# Allegro board MK60_PACK_V20A.brd (continued)
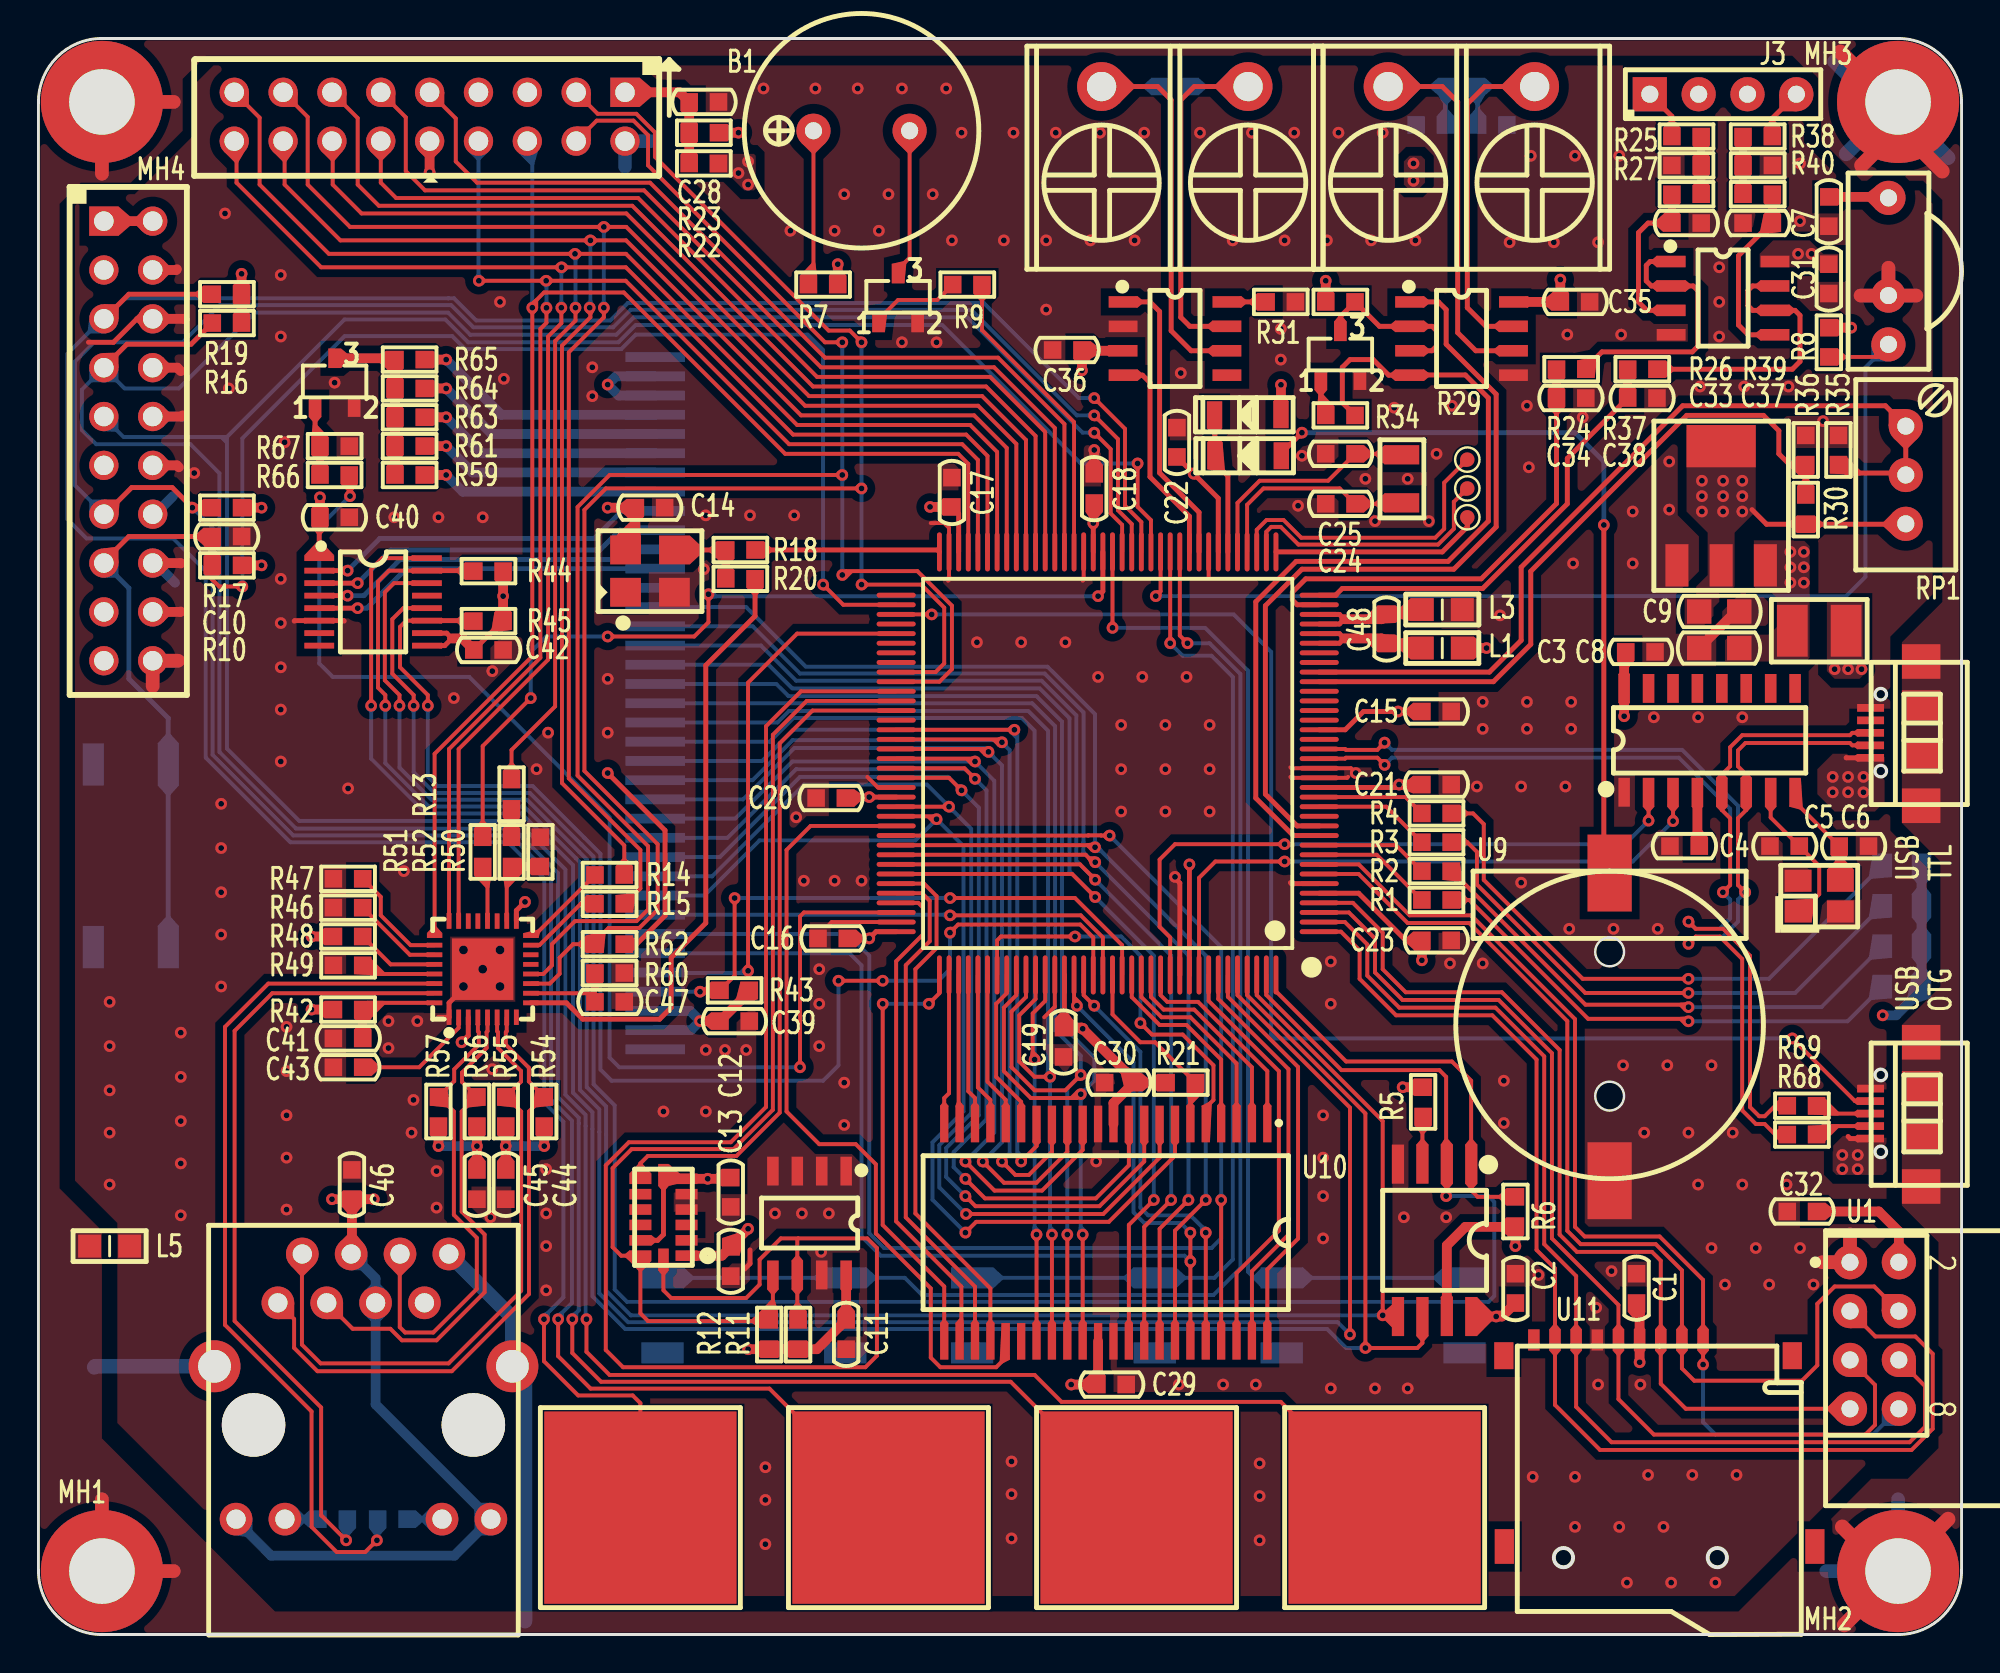
[diagram p0: board, top side]
## Routing (per net, layer and track width the routed paths; a pad name or vN(x,y) marks a point on that pad's centre or on a via; arc(x,y) is an arc through that point) (continued)
VCC_USB: length 2.5
  TOP w0.254: USB1.1 94.21,25.79 94.1,25.9 ; 94,45.6 94.01,45.59 USB2.1
  vias: v1(93.3,44.6) v1(93.3,43.8) v1(93.4,50.2) v1(93.8,24.94) v1(93.8,24.2) v1(94.1,50.2) v1(94.1,44.6) v1(94.1,43.8) v1(94.6,24.94) v1(94.6,24.2) v1(94.8,50.2) v1(94.9,44.6) v1(94.9,43.8)
VDDA3V3: length 7.1
  TOP w0.254: U4.31 67.65,51.55 67.9,51.8 67.65,52.05 U4.32
  TOP w0.508: L1.2 71.72,51.54 C48.2 69.84,51.8 67.9,51.8
VSSA: length 7.1
  TOP w0.254: U4.33 67.65,52.55 67.9,52.8 67.65,53.05 U4.34
  TOP w0.508: L3.2 71.72,53.06 C48.1 69.84,52.8 67.9,52.8
485_R: length 41.4
  TOP w0.254: U4.12 65.45,42.05 63.8,43.7 63.8,53.5 65.7,55.4 73.6,55.4 75.8,57.6 75.8,64.5 73.2,67.1 73.2,68.9 72.8,69.3 U13.1
485_T: length 45.9
  TOP w0.254: R34.1 67.8,64.06 67.8,65.9 68.2,66.3 69.4,66.3 70.21,65.49 U13.4 71.31,65.5 74.2,65.5 75.39,64.31 75.39,57.9 73.3,55.81 65.4,55.81 63.3,53.71 63.3,43.5 65.25,41.55 U4.11
A4: length 54.6
  TOP w0.203: U4.54 v1(55.85,52.35)
  BOTTOM w0.203: SW3.2 SW3.1 63.21,18.55 62.9,18.86 62.9,50.12 60.67,52.35 v1(55.85,52.35)
A6: length 15.9
  TOP w0.203: R9.1 49.06,67.84 53.85,63.05 U4.58
A24: length 72.8
  TOP w0.203: USB1.4 94.46,27.74 v1(91.2,31) ; U4.75 v1(46.45,53.05)
  BOTTOM w0.203: v1(91.2,31) 64.3,31 64.1,31.2 64.1,51.1 62.15,53.05 v1(46.45,53.05)
AD1: length 24.5
  TOP w0.254: R24.2 C34.2 78.94,58.81 75.03,54.9 65.9,54.9 65.2,54.2 65.2,53.8 65.45,53.55 U4.35
AD2: length 23.2
  TOP w0.254: U4.36 67.45,54.05 67.8,54.4 75.1,54.4 79.5,58.8 79.5,61.16 C38.2 R37.2
ADC0_DM0: length 45.1
  TOP w0.254: R35.2 94.04,60.4 97.1,60.4 ; U4.28 75.45,50.05 77.1,51.7 77.1,55.5 85.5,63.9 96.04,63.9 RP1.3 97.1,60.4 ; 97.1,60.4 RP1.2
ADC0_DP0: length 36.6
  TOP w0.254: R30.1 R36.2 91.06,60.84 90.5,61.4 90.5,62.6 89.7,63.4 85.71,63.4 77.6,55.29 77.6,51.49 75.66,49.55 U4.27
ADIN1: length 2.7
  TOP w0.254: R25.1 84.94,78.95 J3.1
ADIN2: length 2.7
  TOP w0.254: J3.4 90.16,78.85 R38.1
ADXL_INT: length 35.1
  TOP w0.203: U4.85 40.25,48.05 38.54,46.34 38.54,27.14 36.29,24.89 31.69,24.89 31.3,24.5 U7.8
B2: length 86.2
  TOP w0.203: 39.5,20.6 39.46,20.56 U8.6 39.46,16.4 R11.1 ; 39.5,20.6 43.1,20.6 43.6,20.1 43.6,14.5 43,13.9 30.4,13.9 29.5,14.8 29.5,24.4 30.7,25.6 36,25.6 37.83,27.43 37.83,47.23 39.65,49.05 U4.83 ; 39.5,20.6 38.6,20.6 37.5,19.5 37.5,18.2 36.8,17.5 32.9,17.5 32.5,17.9 U7.14
B3: length 54.3
  TOP w0.203: U8.5 38.19,16.55 R12.1 37.94,16.3 31.7,16.3 31.3,16.7 U7.13 30.3,19.7 29.86,20.14 29.86,24.25 30.85,25.24 36.15,25.24 38.19,27.29 38.19,46.79 39.95,48.55 U4.84
BL: length 64.4
  TOP w0.203: v1(39.6,29.5) 39.6,37.35 39.8,37.55 U4.106 ; R66.1 16.2,60.26 v1(16.2,59.2)
  BOTTOM w0.203: v1(39.6,29.5) 30.2,29.5 29.7,30 29.7,42.5 22.4,49.8 15.3,49.8 14.6,50.5 14.6,57.6 v1(16.2,59.2)
CAN1_RX: length 11.2
  TOP w0.254: U4.46 59.85,58.15 57.8,60.2 57.8,65.1 57.41,65.49 U14.4
CAN1_TX: length 15.5
  TOP w0.254: U14.1 57.8,69.3 58.3,68.8 58.3,60.41 60.35,58.36 U4.45
CONFIG0: length 4.3
  TOP w0.203: R48.1 18.31,34.85 U17.28
CONFIG1: length 3.9
  TOP w0.203: R49.1 17.31,34.35 U17.29
CONFIG2: length 4.4
  TOP w0.203: R50.1 R52.2 24.35,39.69 U17.18
CS: length 31.2
  TOP w0.203: v1(34.4,33.43) 34.47,33.5 R43.2 36.2,34.26 v1(36.2,38.3) ; U4.128 56.35,35.85 53.9,38.3 v1(47.4,38.3)
  BOTTOM w0.203: U15.4 v1(34.4,33.43) ; v1(36.2,38.3) v1(47.4,38.3)
D6: length 34
  TOP w0.203: v1(64.8,41.1) 59.1,41.1 58.3,40.3 58.3,36.8 58.85,36.25 U4.133 ; 83.72,43.8 v1(83.72,42.33)
  BOTTOM w0.203: v1(83.72,42.33) 82.5,41.1 v1(64.8,41.1)
D7: length 32.4
  TOP w0.203: v1(64.8,40.2) 61.2,40.2 60.35,39.35 U4.136 ; v1(85,42.3) 85,43.8 U3.3
  BOTTOM w0.203: v1(85,42.3) 82.9,40.2 v1(64.8,40.2)
D15: length 21.1
  TOP w0.203: R6.2 74.84,22.76 74.5,23.09 U2.1 74.5,24.47 74.5,28.8 73.5,29.8 68,29.8 64.35,33.45 U4.144
DAC0_OUT: length 14
  TOP w0.203: TP2.1 73.6,58.9 73.6,57.5 72.78,56.68 65.52,56.68 64.6,57.6 64.1,57.6 63.85,57.35 U4.38
DAC1_OUT: length 15.8
  TOP w0.203: TP3.1 73.1,59.9 73.1,57.5 72.63,57.04 65.67,57.04 64.75,57.96 63.86,57.96 63.35,57.45 U4.39
E6: length 6.3
  TOP w0.203: R1.1 69.59,40.55 U4.9
E7: length 5.9
  TOP w0.203: R2.1 70.59,41.05 U4.10
E11: length 6.1
  TOP w0.203: R3.1 70.09,43.05 U4.14
E12: length 5.7
  TOP w0.203: R4.1 71.09,43.55 U4.15
E26: length 70.2
  TOP w0.203: v1(59.75,51.55) 59.35,51.95 U4.47
  BOTTOM w0.203: SW1.1 SW1.2 45.05,18.55 45.94,17.66 61.1,17.66 62.5,19.06 62.5,49.95 60.9,51.55 v1(59.75,51.55)
E27: length 53
  TOP w0.203: U4.48 v1(58.85,51.55)
  BOTTOM w0.203: SW2.1 SW2.2 61.15,18.55 62.11,19.51 62.11,49.79 61,50.9 59.5,50.9 v1(58.85,51.55)
E28: length 55.7
  TOP w0.203: U4.49 58.35,54.25 v1(58.1,54) ; U5.1 95.55,66.44 R8.2
  BOTTOM w0.203: U5.1 95,65.89 95,55 94,54 v1(58.1,54)
EXTAL32: length 12.2
  TOP w0.203: Y3.1 70.85,61.4 C25.2 67.06,60 63.5,60 62.35,58.85 U4.41
FB_1: length 11
  TOP w0.203: U10.1 63.9,29.3 60.3,32.9 58.7,32.9 58.35,33.25 U4.132
FB_2: length 10.9
  TOP w0.203: U10.2 63.1,29.5 60.1,32.5 58.51,32.5 57.85,33.16 U4.131
FB_3: length 10.7
  TOP w0.203: U4.130 57.35,33.15 58.4,32.1 59.9,32.1 62.3,29.7 U10.3
FB_4: length 10.5
  TOP w0.203: U4.129 56.85,33.15 58.3,31.7 59.7,31.7 61.5,29.9 U10.4
FB_5: length 21.2
  TOP w0.203: v1(57.3,31.8) 57.9,31.2 59.5,31.2 61.1,29.6 61.1,27.8 60.7,27.4 U10.5 ; U4.115 49.85,36.1 50.05,36.3 v1(53.9,36.3)
  BOTTOM w0.203: v1(53.9,36.3) 56.3,36.3 57.3,35.3 v1(57.3,31.8)
FB_6: length 8.1
  TOP w0.203: U10.18 50.3,27.8 49.35,28.75 U4.114
FB_7: length 8
  TOP w0.203: U4.113 48.85,28.45 49.5,27.8 U10.19
FB_8: length 7.9
  TOP w0.203: U4.112 48.35,28.25 48.7,27.9 U10.20
FB_9: length 7.8
  TOP w0.203: U10.21 47.85,26.6 U4.111
FB_10: length 7.9
  TOP w0.203: U10.22 47.1,27.9 47.35,28.15 U4.110
FB_11: length 23
  TOP w0.203: U10.23 47.1,18.1 43.9,21.3 v1(43.9,32.8) ; v1(46.3,32.8) 46.85,33.35 U4.109
  BOTTOM w0.203: v1(46.3,32.8) v1(43.9,32.8)
FB_12: length 26.1
  TOP w0.203: U10.24 47.99,15.34 47.99,18.09 44.6,21.49 44.6,35.01 45.99,36.4 45.99,37.81 45.75,38.05 U4.105
FB_13: length 26.8
  TOP w0.203: U4.104 45.95,38.55 46.34,38.16 46.34,36.05 45.1,34.81 45.1,21.69 48.7,18.09 U10.25
FB_14: length 27.6
  TOP w0.203: U10.26 49.5,18 45.6,21.9 45.6,34.6 46.7,35.7 46.7,38.4 46.05,39.05 U4.103
FB_15: length 42
  TOP w0.203: U10.27 50.3,14.4 49.8,13.9 46.9,13.9 46.4,14.4 46.4,18 43.54,20.86 43.54,24.46 42.5,25.5 40.6,25.5 38.9,27.2 38.9,40.8 40.15,42.05 U4.97
FB_16: length 21.5
  TOP w0.203: U10.42 62.3,18.8 64.5,21 64.5,29.3 60.85,32.95 U4.137
FB_17: length 21.3
  TOP w0.203: U10.43 63.1,18.89 65,20.79 65,29.4 61.35,33.05 U4.138
FB_18: length 21.2
  TOP w0.203: U4.139 61.85,33.16 65.5,29.51 65.5,20.59 63.9,18.99 U10.44
FB_AD0: length 56.1
  TOP w0.203: U10.7 59.1,24.9 55.66,21.46 48.76,21.46 v1(48.2,20.9) ; v1(46.7,42.4) 46.55,42.55 U4.96
  BOTTOM w0.203: v1(48.2,20.9) 46.49,22.61 46.49,25.59 48.1,27.21 48.1,41 v1(46.7,42.4) 45.6,41.3 37.5,41.3 34.63,38.43 U15.9
FB_AD1: length 56.4
  TOP w0.203: U10.8 58.3,24.8 55.37,21.87 v1(48.23,21.87) ; U4.95 v1(47.35,43.05)
  BOTTOM w0.203: U15.10 35.03,39.43 39.8,44.2 46.2,44.2 v1(47.35,43.05) 48.5,41.9 48.5,27.1 46.84,25.45 46.84,23.26 v1(48.23,21.87)
FB_AD2: length 56.6
  TOP w0.203: U4.92 47.35,44.55 v1(48,43.9) ; v1(48.2,22.8) 48.73,22.27 55.17,22.27 57.5,24.6 U10.9
  BOTTOM w0.203: U15.11 35.43,40.43 39.6,44.6 47.3,44.6 v1(48,43.9) 48.9,43 48.9,27 47.2,25.3 47.2,23.8 v1(48.2,22.8)
FB_AD3: length 56.4
  TOP w0.203: v1(48.7,44.5) 48.15,45.05 U4.91 ; U10.10 56.7,24.4 54.98,22.68 49.22,22.68 v1(48.2,23.7)
  BOTTOM w0.203: v1(48.2,23.7) 47.59,24.31 47.59,25.09 49.3,26.8 49.3,43.9 v1(48.7,44.5) 48.2,45 39.4,45 35.83,41.43 U15.12
FB_AD4: length 52.8
  TOP w0.203: v1(48.2,24.6) 49.71,23.09 52.19,23.09 54.3,25.2 U10.13 ; v1(48.7,45.4) 48.55,45.55 U4.90
  BOTTOM w0.203: U15.13 36.23,42.43 39.2,45.4 v1(48.7,45.4) 49.7,44.4 49.7,26.1 v1(48.2,24.6)
FB_AD5: length 52.4
  TOP w0.203: v1(49.4,45.9) 49.3,45.9 49.15,46.05 U4.89 ; U10.14 53.5,25.1 51.89,23.49 50.21,23.49 v1(49.1,24.6)
  BOTTOM w0.203: U15.14 36.64,43.43 39.31,46.1 49.2,46.1 v1(49.4,45.9) 50.1,45.2 50.1,25.6 v1(49.1,24.6)
FB_AD6: length 51.5
  TOP w0.203: v1(50.1,46.4) 49.95,46.55 U4.88 ; U10.15 52.7,25.1 51.5,23.9 50.8,23.9 v1(50.1,24.6)
  BOTTOM w0.203: v1(50.1,24.6) 50.5,25 50.5,46 v1(50.1,46.4) 49.99,46.51 39.21,46.51 37.13,44.43 U15.15
FB_AD7: length 50.4
  TOP w0.203: v1(51.1,24.6) 51.9,25.4 U10.16 ; U4.87 v1(50.75,47.05)
  BOTTOM w0.203: U15.16 37.63,45.43 39.25,47.05 v1(50.75,47.05) 50.9,46.9 50.9,24.8 v1(51.1,24.6)
FB_AD8: length 57
  TOP w0.203: U10.29 v1(51.9,20.8) ; U4.120 52.35,32.95 51.7,32.3 51.7,30 v1(51.8,29.9)
  BOTTOM w0.203: U15.17 38.03,46.43 39.26,47.66 51.14,47.66 51.8,47 v1(51.8,29.9) 51.8,20.9 v1(51.9,20.8)
FB_AD9: length 59.7
  TOP w0.203: U10.30 v1(52.7,20.8) ; v1(52.6,29) 51.8,29 51,29.8 51,32.2 51.85,33.05 U4.119
  BOTTOM w0.203: U15.18 38.43,47.43 39.03,48.03 51.47,48.03 52.5,47 52.5,29.11 v1(52.6,29) 52.6,20.96 52.7,20.86 v1(52.7,20.8)
FB_AD10: length 63.7
  TOP w0.203: v1(54.2,29.1) 53.4,28.3 51.8,28.3 50.6,29.5 50.6,32.4 51.35,33.15 U4.118 ; v1(53.5,20.8) U10.31
  BOTTOM w0.203: U15.19 51.67,48.43 52.87,47.23 52.87,31.43 54.2,30.1 v1(54.2,29.1) 53.5,28.4 v1(53.5,20.8)
FB_AD11: length 65.1
  TOP w0.203: U4.117 50.85,33.25 50.2,32.6 50.2,29.3 51.6,27.9 54,27.9 v1(54.2,28.1) ; v1(54.3,20.8) U10.32
  BOTTOM w0.203: U15.20 38.37,49.43 39,48.8 51.9,48.8 53.22,47.48 53.22,31.68 54.9,30 54.9,28.8 v1(54.2,28.1) 54.2,20.9 v1(54.3,20.8)
FB_AD12: length 68.3
  TOP w0.203: v1(54.95,38.35) 53.75,39.55 U4.102 ; v1(58,22.6) 56.7,21.3 U10.35
  BOTTOM w0.203: U15.21 37.97,50.43 39.2,49.2 52.06,49.2 53.61,47.65 53.61,39.69 v1(54.95,38.35) 58,35.3 v1(58,22.6)
FB_AD13: length 69.3
  TOP w0.203: v1(58.9,22.6) 57.5,21.2 U10.36 ; v1(54.95,39.25) 54.95,39.26 54.16,40.05 U4.101
  BOTTOM w0.203: v1(58.9,22.6) 58.9,35.3 v1(54.95,39.25) 53.97,40.23 53.97,47.8 52.17,49.6 39.4,49.6 37.57,51.43 U15.22
FB_AD14: length 70.3
  TOP w0.203: U4.100 54.45,40.55 54.84,40.16 v1(54.95,40.16) ; v1(59.8,22.6) 58.3,21.1 U10.37
  BOTTOM w0.203: U15.23 37.14,52.43 39.6,49.97 52.32,49.97 54.34,47.95 54.34,41.21 54.33,41.19 54.33,40.69 54.86,40.16 v1(54.95,40.16) 59.8,35.31 v1(59.8,22.6)
FB_AD15: length 71.3
  TOP w0.203: v1(54.94,40.94) 54.8,40.94 54.7,41.05 U4.99 ; v1(60.7,22.6) 59.1,21 U10.38
  BOTTOM w0.203: U15.24 36.8,53.43 39.9,50.33 52.47,50.33 54.94,47.86 v1(54.94,40.94) 55.06,40.94 60.7,35.3 v1(60.7,22.6)
FB_BE_23_16: length 65.4
  TOP w0.203: v1(59.9,20.9) v1(59.9,19.4) U10.39 ; U4.123 53.85,32.85 v1(54,32.7)
  BOTTOM w0.203: U15.6 42.17,35.43 42.8,34.8 42.8,20.7 43.8,19.7 59.6,19.7 v1(59.9,19.4) ; v1(59.9,20.9) 59.4,21.4 57.5,21.4 56.94,21.96 56.94,29.76 v1(54,32.7)
FB_BE_31_24: length 23
  TOP w0.203: U10.40 v1(60.7,20.9) ; U4.124 54.35,33.25 v1(54.9,32.7)
  BOTTOM w0.203: v1(60.7,20.9) 60.7,21 59.9,21.8 57.7,21.8 57.3,22.2 57.3,30.3 v1(54.9,32.7)
FB_CS1: length 10.1
  TOP w0.203: U4.127 55.85,32.25 57.3,30.8 58.06,30.8 R21.2 59.9,28.44 U10.6
FB_OE_B: length 86.7
  TOP w0.203: v1(55.7,41.55) 55.26,41.55 55.25,41.56 54.6,41.56 54.59,41.55 U4.98 ; U10.41 v1(61.5,22.6)
  BOTTOM w0.203: U15.7 42.07,36.43 43.2,35.3 43.2,20.87 43.97,20.1 61,20.1 61.5,20.6 v1(61.5,22.6) 61.5,35.75 v1(55.7,41.55)
FB_RW_B: length 8.5
  TOP w0.203: U10.17 51.1,27.7 49.8,29 49.8,32.8 50.35,33.35 U4.116
LED0: length 45
  TOP w0.203: U17.30 11.95,33.85 9.7,31.6 9.7,16.1 14.2,11.6 14.2,5.6 15.51,4.29 16.99,4.29 v1(17.6,4.9)
  BOTTOM w0.203: v1(17.6,4.9) 17.6,5.96 R53.1
LED1: length 41.2
  TOP w0.203: U17.31 12.16,33.35 10.2,31.39 10.2,16.31 14.7,11.81 14.7,6.2 v1(16,4.9)
  BOTTOM w0.203: R58.1 16,5.94 v1(16,4.9)
LED-1: length 12.4
  TOP w0.508: v1(21.2,60.3) R59.1
  BOTTOM w0.508: U15.30 22.07,59.43 v1(21.2,60.3)
LED-2: length 12.6
  TOP w0.508: v1(21.2,61.8) R61.1
  BOTTOM w0.508: v1(21.2,61.8) 22.57,60.43 U15.31
LED-3: length 12.8
  TOP w0.508: v1(21.2,63.3) R63.1
  BOTTOM w0.508: U15.32 23.07,61.43 v1(21.2,63.3)
LED-4: length 13
  TOP w0.508: v1(21.2,64.8) R64.1
  BOTTOM w0.508: U15.33 23.57,62.43 v1(21.2,64.8)
LED-5: length 13.2
  TOP w0.508: v1(21.2,66.3) R65.1
  BOTTOM w0.508: U15.34 24.07,63.43 v1(21.2,66.3)
MK60_CLK: length 9.6
  TOP w0.254: R18.2 46.75,56.4 U4.72
OV7620_HREF: length 74.9
  TOP w0.203: U17.25 20.6,45.8 25.68,50.88 v1(25.68,69) 25.7,69.02 25.7,69.2 26.29,69.79 30.44,69.79 38.83,61.4 47.83,61.4 48.35,60.88 U4.69
  BOTTOM w0.203: v1(25.68,69) 25.68,77.4 J2.6
OV7620_PCLK: length 48.1
  TOP w0.203: J2.9 21.7,78.84 21.7,76.6 22.8,75.5 31.8,75.5 40.9,66.4 49.9,66.4 53.35,62.95 U4.59
OV7620_SCL: length 90
  TOP w0.203: U17.11 26.59,33.85 27.1,34.36 27.1,35.2 27.8,35.9 R62.2 28.94,36.04 29.64,36.74 31.24,36.74 32.2,37.7 32.2,41.1 28.39,44.91 28.39,58.49 29.5,59.6 v1(42.8,59.6) ; U4.81 46.65,50.05 47.1,50.5 47.1,53.4 45.9,54.6 v1(42.8,54.6) ; v1(42.8,67.2) 42.19,67.81 41.09,67.81 32.06,76.84 32.06,78.12 31.09,79.08 29.08,79.08 J2.3
  BOTTOM w0.203: v1(42.8,54.6) v1(42.8,59.6) v1(42.8,67.2)
OV7620_SDA: length 90.1
  TOP w0.203: U17.12 26.25,34.35 26.7,34.8 26.7,35.9 27.9,37.1 31.1,37.1 31.7,37.7 31.7,41 28.03,44.67 28.03,58.63 29.7,60.3 v1(41.8,60.3) ; J2.4 29.03,78.73 30.94,78.73 31.7,77.97 31.7,76.4 40.9,67.2 v1(41.8,67.2) ; v1(41.8,55.1) 42,55.3 45.7,55.3 47.5,53.5 47.5,50.2 46.85,49.55 U4.82
  BOTTOM w0.203: v1(41.8,55.1) v1(41.8,60.3) v1(41.8,67.2)
OV7620_VSYNC: length 77.3
  TOP w0.203: v1(26.42,68.99) 26.42,68.22 26.1,67.9 26.1,50.8 21.35,46.05 U17.24 ; v1(22.9,70.4) v1(26.4,70.4) 30.54,70.4 39.04,61.9 48.04,61.9 48.85,61.09 U4.68
  BOTTOM w0.203: v1(26.4,70.4) 26.42,70.38 v1(26.42,68.99) ; v1(22.9,70.4) 22.88,70.42 J2.8
OV7620_Y0: length 50.4
  TOP w0.203: U4.60 52.85,62.74 49.69,65.9 40.69,65.9 31.49,75.1 20.1,75.1 19.1,76.1 19.1,78.9 J2.11
OV7620_Y1: length 48.3
  TOP w0.203: U4.61 52.35,62.54 49.49,65.4 40.49,65.4 31.19,74.7 18.6,74.7 17.8,75.5 J2.12
OV7620_Y2: length 52
  TOP w0.203: J2.13 16.6,78.86 16.6,75.4 17.7,74.3 30.88,74.3 40.28,64.9 49.28,64.9 51.85,62.33 U4.62
OV7620_Y3: length 49.6
  TOP w0.203: U4.63 51.35,62.12 49.07,64.4 40.07,64.4 30.57,73.9 16.8,73.9 15.3,75.4 15.3,77.62 J2.14
OV7620_Y4: length 91.2
  TOP w0.203: R15.2 30.5,38 31.3,38.8 31.3,40.8 27.58,44.52 27.58,66.68 29.4,68.5 v1(29.4,69) ; J2.15 14,78.92 14,75.4 16.2,73.2 v1(29.4,73.2) 30.56,73.2 39.86,63.9 48.86,63.9 50.85,61.91 U4.64
  BOTTOM w0.203: v1(29.4,73.2) v1(29.4,69)
OV7620_Y5: length 85.9
  TOP w0.203: v1(28.66,69) 28.7,68.96 28.7,68.5 27.22,67.02 27.22,44.28 30.46,41.04 R14.2 ; U4.65 50.35,61.71 48.66,63.4 39.66,63.4 30.56,72.5 v1(28.7,72.5) 15.7,72.5 12.8,75.4 12.8,77.58 J2.16
  BOTTOM w0.203: v1(28.66,69) 28.7,69.04 v1(28.7,72.5)
OV7620_Y6: length 83.4
  TOP w0.203: U4.66 49.85,61.5 48.45,62.9 39.45,62.9 30.55,71.8 v1(27.9,71.8) 15.1,71.8 11.5,75.4 11.5,78.88 J2.17 ; v1(27.93,69) 27.93,68.33 26.87,67.27 26.87,48.27 24.6,46 R13.2
  BOTTOM w0.203: v1(27.9,71.8) 27.93,71.77 v1(27.93,69)
OV7620_Y7: length 88.4
  TOP w0.203: J2.18 10.3,77.54 10.3,75.5 14.7,71.1 v1(27.2,71.1) 30.54,71.1 39.24,62.4 48.24,62.4 49.35,61.29 U4.67 ; v1(27.19,69) 27.19,68.19 26.5,67.5 26.5,50.69 21.85,46.04 U17.23
  BOTTOM w0.203: v1(27.19,69) 27.19,71.09 v1(27.2,71.1)
PHY_CLK: length 32
  TOP w0.254: U17.9 27.45,32.85 28.3,32 32.3,32 32.9,32.6 32.9,35.2 34.7,37 34.7,50.4 37.26,52.96 R20.2
RESET: length 89
  TOP w0.203: U4.74 41.85,53.55 v1(40.8,54.6) ; v1(10.6,54.5) 9.4,54.5 9.04,54.86 R10.2
  TOP w0.254: R10.2 C10.2 4.7,57.1 3.4,55.8 J1.15
  BOTTOM w0.203: v1(10.6,54.5) 10.6,62.2 15.92,67.52 21.52,67.52 22.19,66.84 30.31,66.84 31.06,67.6 40,67.6 40.8,66.8 v1(40.8,54.6)
  BOTTOM w0.254: J1.15 4.7,54.42 4.7,49.7 6.75,47.65 SW4.1 SW4.2
RMII0_CRSDV: length 1.5
  TOP w0.203: R52.1 R13.1
RMII0_RXD0: length 4.6
  TOP w0.203: U17.16 25.79,36.35 R14.1
RMII0_RXD1: length 4.2
  TOP w0.203: U17.15 26.05,35.85 28.2,38 R15.1
RMII0_RXER: length 44.7
  TOP w0.203: R51.1 23.1,46.2 v1(25.6,48.7) ; v1(29.6,51.9) 34.1,51.9 34.84,52.64 v1(34.84,54.1)
  TOP w0.254: v1(55.1,54) 55.35,54.25 U4.55
  BOTTOM w0.203: v1(55.1,54) 55.09,53.99 34.95,53.99 v1(34.84,54.1) ; v1(25.6,48.7) 25.6,51.1 26.4,51.9 v1(29.6,51.9)
RS: length 28.6
  TOP w0.203: v1(36.9,34.52) 36.9,49.5 39.45,52.05 U4.77
  BOTTOM w0.203: v1(36.9,34.52) 36.78,34.4 32.1,34.4 U15.5
RST: length 5.4
  TOP w0.203: U17.32 17.11,32.85 16.86,32.6 R42.2 C41.2
RX+: length 26.1
  TOP w0.203: J6.3 16.34,15.9 18.3,15.9 18.9,15.3 20.7,15.3 23.2,17.8 23.2,20.8 22.01,21.99 22.01,27.2 22.77,27.96 R56.1 22.02,28.74 22.02,29.22 23.3,30.5 23.3,31.33 23.35,31.37 U17.5
RX-: length 24.7
  TOP w0.203: U17.4 22.85,31.37 22.9,31.33 22.9,30.67 21.62,29.39 21.62,28.78 R57.1 20.84,27.96 21.6,27.2 21.6,21.83 22.79,20.63 22.79,17.97 20.53,15.71 19.07,15.71 18.79,15.99 18.79,19.78 J6.6
SDHC0_CMD: length 49
  TOP w0.203: U1.7 85.66,11.74 84.36,13.04 U11.3 84.36,19.44 83.9,19.9 80,19.9 79.1,20.8 79.1,30.4 76.1,33.4 71.1,33.4 69.9,34.6 69.9,36.5 68.35,38.05 U4.4
